# Altium PCB PCB1.PcbDoc (part 2 of 3)
Units mil, origin at the board's own origin, x right, y up, seen from the top; angles counter-clockwise.
Board outline 1847 x 2681.4 mil, 2 copper layers (Top Layer, Bottom Layer); 166 components, 117 nets, 677 pads, 840 vias.
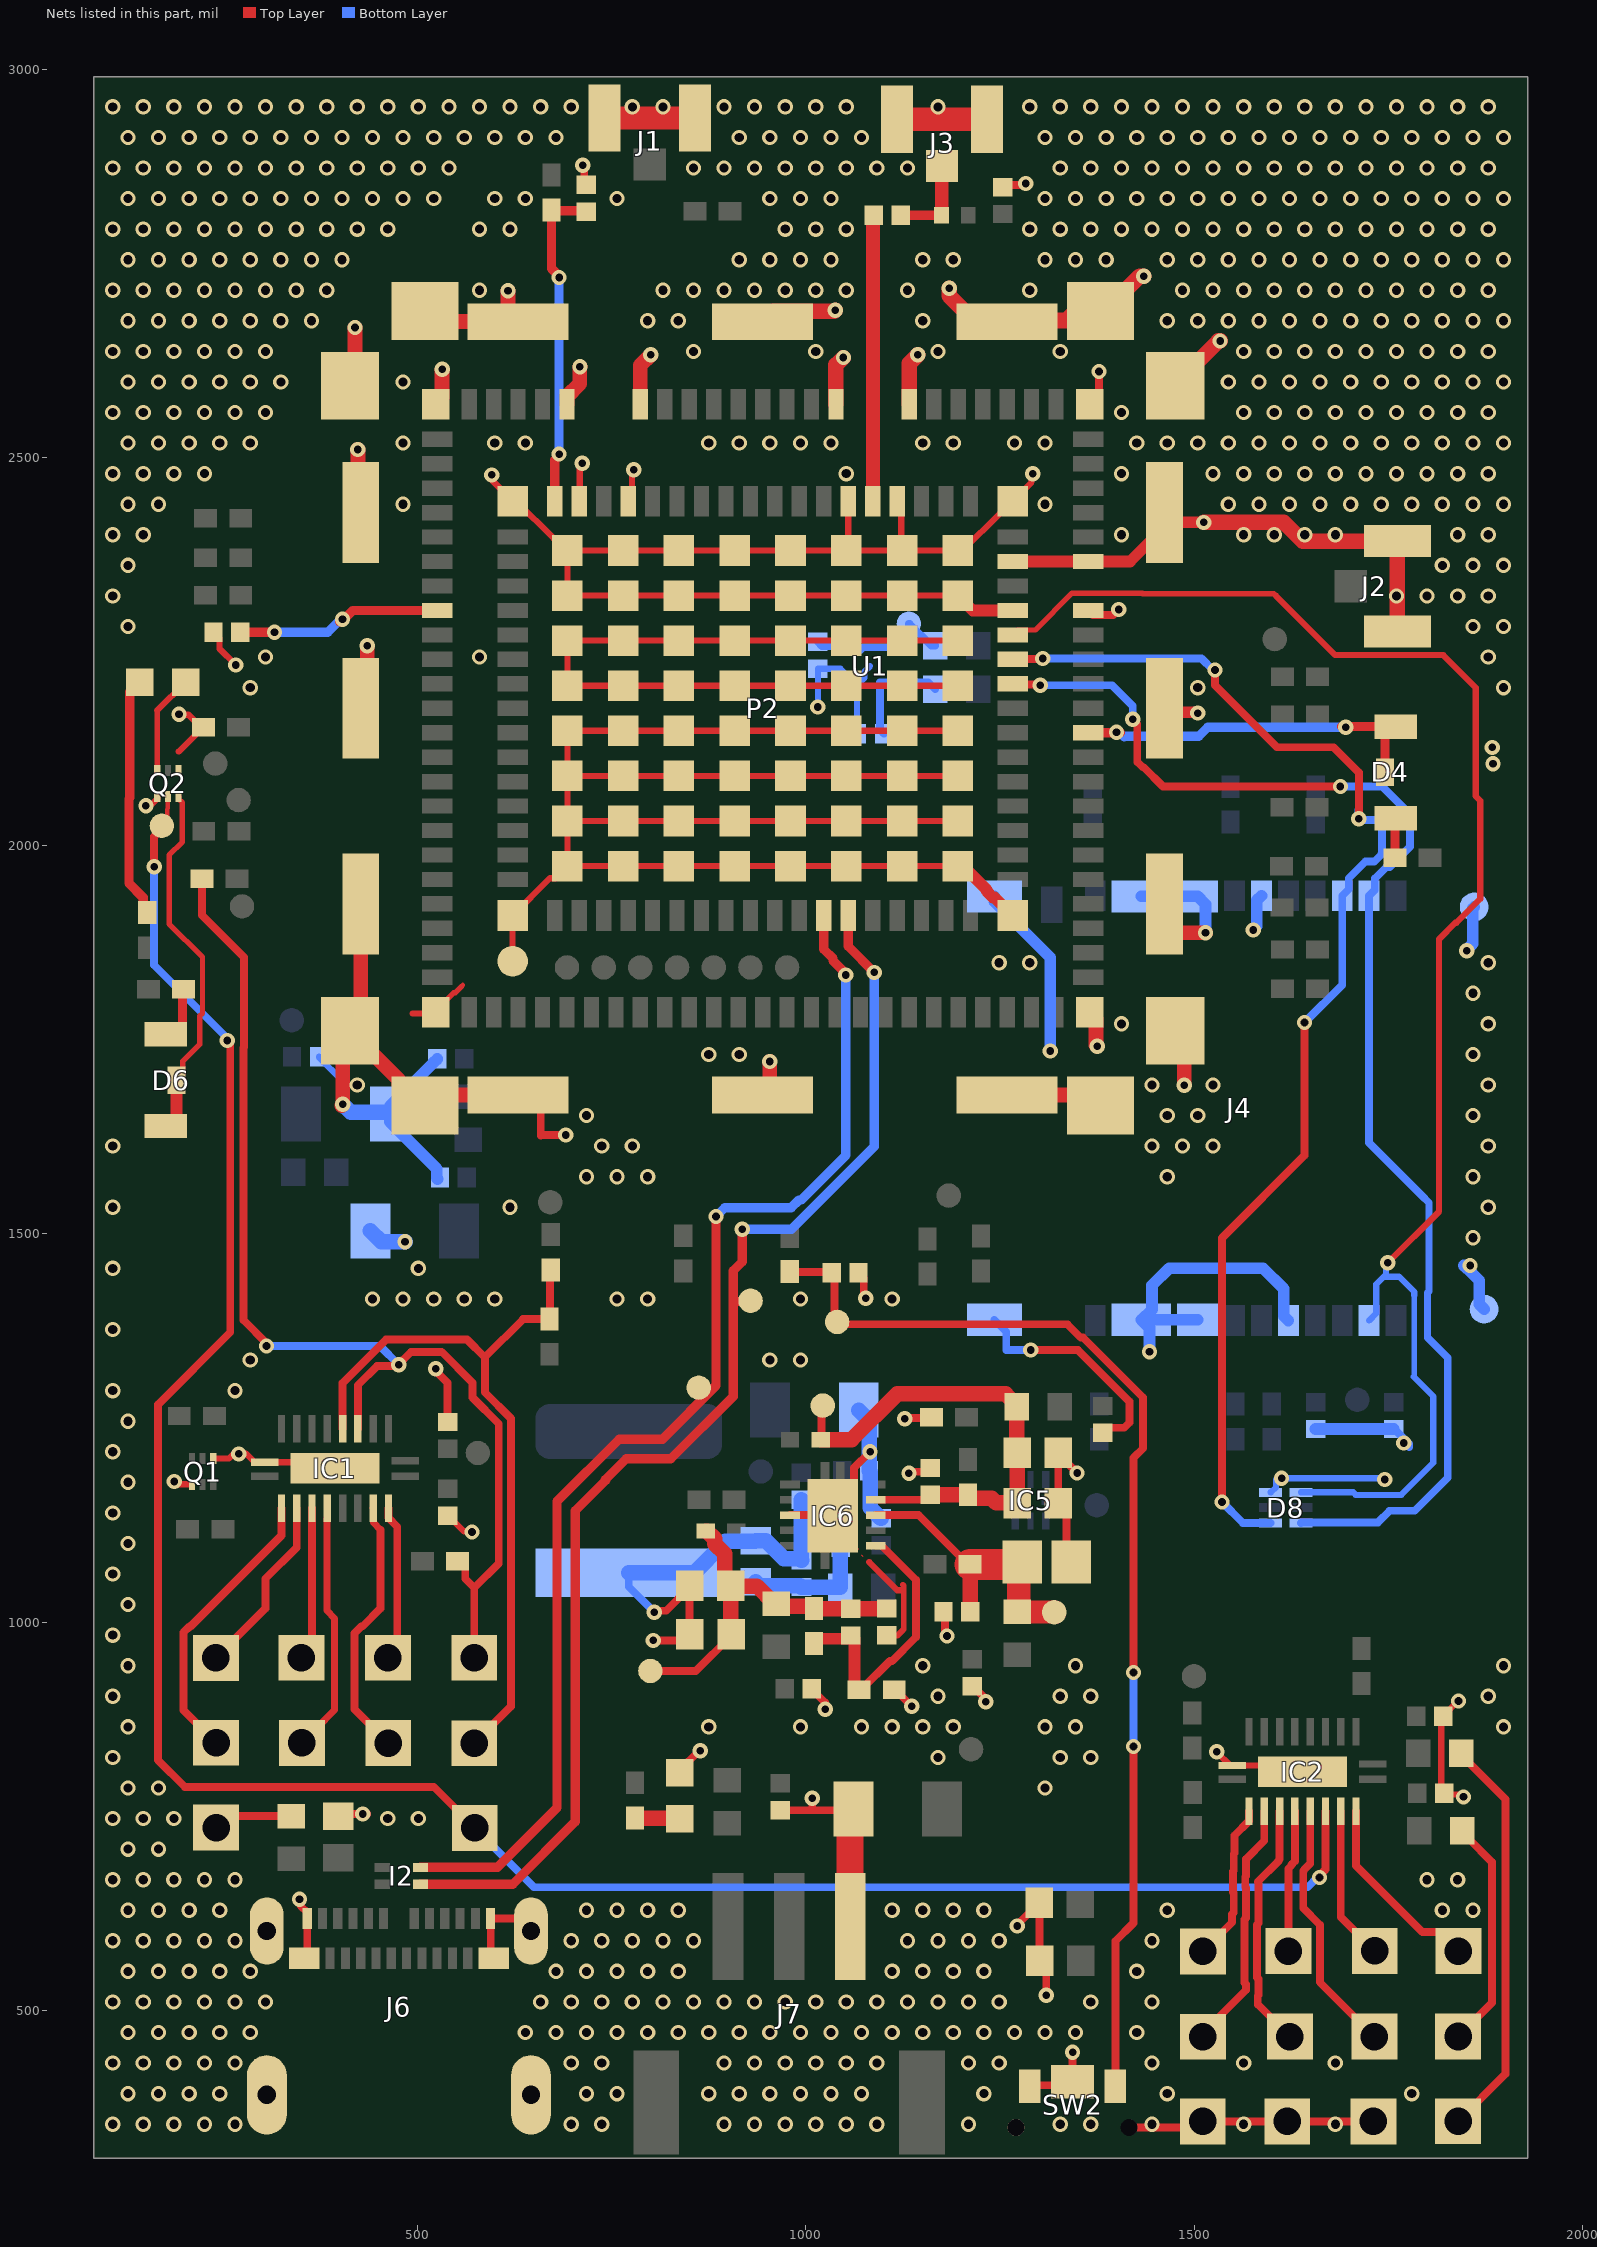
[diagram p2: the nets of this part, all layers, seen from the top]

## Part data
C1 C2 C3 C4 C28 C30 C33 C40 C42 C56 C57 C70: "0.1µF -20%, +80% 16V Ceramic Capacitor Y5V (F) 0402 (1005 Metric)", Part Number=VJ0402V104ZXJCW1BC, LatestRevisionDate=29-May-2009, LatestRevisionNote="IPC-7351 Footprint Added.", PackageDescription="Chip Capacitor", PackageReference=C1206, Published=8-Jun-2000
  C1 C2 C3 C4 C28 C33 C40 C42 C56 C57 C70: Supplier Link=https://www.digikey.com/product-detail/en/vishay-vitramon/VJ0402V104ZXJCW1BC/720-1523-1-ND/420979
C7: "15pF ±5% 50V Ceramic Capacitor C0G, NP0 0402 (1005 Metric)", Part Number=UMK105CG150JV-F, LatestRevisionDate=29-May-2009, LatestRevisionNote="IPC-7351 Footprint Added.", PackageDescription="Chip Capacitor", PackageReference=C1206, Supplier Link=https://www.digikey.com/product-detail/en/taiyo-yuden/UMK105CG150JV-F/587-1949-1-ND/1473259
C8 C21 C23: "CAP CER 22PF 50V NP0 0402", Part Number=UMK105CG220JV-F, LatestRevisionDate=29-May-2009, LatestRevisionNote="IPC-7351 Footprint Added.", PackageDescription="Chip Capacitor", PackageReference=C1206, Published=8-Jun-2000, Supplier Link=https://www.digikey.com/product-detail/en/taiyo-yuden/UMK105CG220JV-F/587-1203-1-ND/930980
  C21 C23: Available=Obsolete
C11 C12: "10µF ±20% 6.3V Ceramic Capacitor X5R 0603 (1608 Metric)", Part Number=JMK107BJ106MA-T, LatestRevisionDate=29-May-2009, LatestRevisionNote="IPC-7351 Footprint Added.", PackageDescription="Chip Capacitor", PackageReference=C1206, Publisher="Altium Limited", Supplier Link=https://www.digikey.com/product-detail/en/taiyo-yuden/JMK107BJ106MA-T/587-1256-1-ND/931033
C34 C35: "1µF ±10% 10V Ceramic Capacitor X5R 0402 (1005 Metric)", Part Number=GRM155R61A105KE15D, Part Number 2=LMK105BJ105KVHF, Available=0, LatestRevisionDate=29-May-2009, LatestRevisionNote="IPC-7351 Footprint Added.", PackageDescription="Chip Capacitor", PackageReference=C1206, Published=8-Jun-2000, Supplier Link=https://www.digikey.com/product-detail/en/murata-electronics-north-america/GRM155R61A105KE15D/490-3890-1-ND/965932, Supplier Link 2=https://www.digikey.com/product-detail/en/taiyo-yuden/LMK105BJ105KVHF/587-3712-6-ND/4811286
C36 C39 C47 C48: "22µF ±20% 6.3V Ceramic Capacitor X5R 0603 (1608 Metric)", Part Number=GRM188R60J226MEA0D, LatestRevisionDate=29-May-2009, LatestRevisionNote="IPC-7351 Footprint Added.", PackageDescription="Chip Capacitor", PackageReference=C1206, Publisher="Altium Limited", Supplier Link=https://www.digikey.com/product-detail/en/murata-electronics-north-america/GRM188R60J226MEA0D/490-7611-1-ND/4280544
C37 C38 C43 C44 C50 C51 C60 C61 C65: "0.1µF ±10% 10V Ceramic Capacitor X5R 0402 (1005 Metric)", Part Number=LMK105BJ104KV-F, LatestRevisionDate=29-May-2009, LatestRevisionNote="IPC-7351 Footprint Added.", PackageDescription="Chip Capacitor", PackageReference=C1206, Published=8-Jun-2000, Supplier Link=https://www.digikey.com/product-detail/en/taiyo-yuden/LMK105BJ104KV-F/587-1227-1-ND/931004
C41: "10µF ±10% 10V Ceramic Capacitor X5R 0805 (2012 Metric)", Part Number=LMK212BJ106KG-T, LatestRevisionDate=29-May-2009, LatestRevisionNote="IPC-7351 Footprint Added.", PackageDescription="Chip Capacitor", PackageReference=C1206, Publisher="Altium Limited", Supplier Link=https://www.digikey.com/product-detail/en/taiyo-yuden/LMK212BJ106KG-T/587-1300-1-ND/931077
C45: "56pF ±5% 50V Ceramic Capacitor C0G, NP0 0402 (1005 Metric)", Part Number=UMK105CG560JV-F, LatestRevisionDate=29-May-2009, LatestRevisionNote="IPC-7351 Footprint Added.", PackageDescription="Chip Capacitor", PackageReference=C1206, Publisher="Altium Limited", Supplier Link=https://www.digikey.com/product-detail/en/taiyo-yuden/UMK105CG560JV-F/587-1208-1-ND/930985
C49 C59 C64 C69: "47µF ±20% 10V Ceramic Capacitor X5R 1206 (3216 Metric)", Part Number=LMK316BJ476ML-T, LatestRevisionDate=29-May-2009, LatestRevisionNote="IPC-7351 Footprint Added.", PackageDescription="Chip Capacitor", PackageReference=C1206, Publisher="Altium Limited", Supplier Link=https://www.digikey.com/product-detail/en/taiyo-yuden/LMK316BJ476ML-T/587-1780-1-ND/1212796
C55: "1500µF Conformal Coated Tantalum Capacitors 6.3V 2824 (7260 Metric) 140 mOhm", Part Number=F720J158MMC, Available=0, LatestRevisionDate=29-May-2009, LatestRevisionNote="IPC-7351 Footprint Added.", PackageDescription="Chip Capacitor", PackageReference=C0805, Published=8-Jun-2000, Publisher="Altium Limited", Supplier Link=https://www.digikey.com/product-detail/en/avx-corporation/F720J158MMC/478-8067-1-ND/4005932
C58 C71: "10µF ±20% 10V Ceramic Capacitor X5R 0603 (1608 Metric)", Part Number=GRM188R61A106ME69D, LatestRevisionDate=29-May-2009, LatestRevisionNote="IPC-7351 Footprint Added.", PackageDescription="Chip Capacitor", PackageReference=C1206, Publisher="Altium Limited", Supplier Link=https://www.digikey.com/product-detail/en/murata-electronics-north-america/GRM188R61A106ME69D/490-10475-1-ND/5026393
D4 D6: "Yellow-Green 573nm LED Indication - Discrete 2V 2-SMD, No Lead", Part Number=12-21SYGC/S530-E2/TR8, Supplier Link=https://www.digikey.com/product-detail/en/everlight-electronics-co-ltd/12-21SYGC-S530-E2-TR8/1080-1451-1-ND/5308153
D7: "Green  LED Indication - Discrete 2.2V 0603 (1608 Metric)", Part Number=SML-310MTT86, LatestRevisionDate=17-Jul-2002, LatestRevisionNote="Re-released for DXP Platform.", PackageDescription="SM LED; 2 Flat Leads", PackageReference=3.2X1.6X1.1, PackageVersion=Feb-2002, Published=8-Jun-2000, Publisher="Altium Limited", Supplier Link=https://www.digikey.com/products/en?keywords=SML-310MTT86M
D8: library part RCLAMP0503N.TCT, "30V Clamp 3A (8/20µs) Ipp Tvs Diode Surface Mount SLP1510N6", Manufacturer_Name=SEMTECH, Package=SON50P100X145X65-6N, DeviceSetName=RCLAMP0503N.TCT, GateName_1=G$1, Height=0.65mm, LibraryName=RCLAMP0503N.TCT, Manufacturer_Part_Number=RCLAMP0503N.TCT, Mouser_Part_Number=947-RCLAMP0503N.TCT, Mouser_Price-Stock=https://www.mouser.com/Search/Refine.aspx?Keyword=947-RCLAMP0503N.TCT, Part Number=RCLAMP0503N.TCT, RS_Part_Number=947-RCLAMP0503N.TCT, RS_Price-Stock=https://www.mouser.com/Search/Refine.aspx?Keyword=947-RCLAMP0503N.TCT, Supplier Link=https://www.digikey.com/product-detail/en/semtech-corporation/RCLAMP0503N.TCT/RCLAMP0503N.TCTCT-ND/5113715, SymbolName_1=RCLAMP0503N.TCT
D9: "Green 570nm LED Indication - Discrete 1.7V 0603 (1608 Metric)", Part Number="LG L29K-F2J1-24-Z", LatestRevisionDate=17-Jul-2002, LatestRevisionNote="Re-released for DXP Platform.", PackageDescription="SM LED; 2 Flat Leads", PackageReference=3.2X1.6X1.1, PackageVersion=Feb-2002, Published=8-Jun-2000, Publisher="Altium Limited", Supplier Link=https://www.digikey.com/product-detail/en/osram-opto-semiconductors-inc/LG-L29K-F2J1-24-Z/475-3118-1-ND/4899549
I2: "Common Mode Chokes / Filters", Part Number=TCM1210-900-2P-T000, Supplier Link=https://eu.mouser.com/ProductDetail/TDK/TCM1210-900-2P-T000?qs=%2Fha2pyFaduia2Sf2XsGzKKKR0SZzgM3gI6%2FyoQ%2FKuJLC9pPLP%252BCPyQawxd0Jpcuo
IC1 IC2: library part FXMA108BQX, "Voltage Level Translator Bidirectional 1 Circuit 8 Channel 100Mbps 20-DQFN (2.5x4.5)", Manufacturer_Name="Fairchild Semiconductor", Package=DQFN-20, DeviceSetName=FXMA108BQX, GateName_1=G$1, Height=mm, LibraryName=FXMA108BQX, Mouser_Part_Number=512-FXMA108BQX, Part Number=FXMA108BQX, RS_Part_Number=8076121P, RS_Price-Stock=http://uk.rs-online.com/web/p/products/8076121P, Supplier Link=https://www.digikey.com/product-detail/en/on-semiconductor/FXMA108BQX/FXMA108BQXFSCT-ND/2287325, SymbolName_1=FXMA108BQX
IC5: library part TPD6E004RSER, "Clamp  Ipp Tvs Diode Surface Mount 8-UQFN (1.5x1.5)", Manufacturer_Name="Texas Instruments", Package=RSE0008A, DeviceSetName=TPD6E004RSER, GateName_1=G$1, Height=mm, LibraryName=TPD6E004RSER, Mouser_Part_Number=595-TPD6E004RSER, Mouser_Price-Stock=https://www.mouser.com/Search/Refine.aspx?Keyword=595-TPD6E004RSER, Part Number=TPD6E004RSER, RS_Part_Number=1626446, RS_Price-Stock=http://uk.rs-online.com/web/p/products/1626446, Supplier Link=https://www.digikey.com/product-detail/en/texas-instruments/TPD6E004RSER/296-23619-1-ND/1913507, SymbolName_1=TPD6E004RSER
IC6: "Buck Switching Regulator IC Positive Adjustable 0.6V 2 Output 600mA, 1A 10-VFDFN Exposed Pad", Manufacturer_Name="Texas Instruments", Package=SON50P300X300X100-11N, Part Number=TPS62420DRCR, DeviceSetName=TPS62420QDRCRQ1, GateName_1=G$1, Height=mm, LibraryName=TPS62420QDRCRQ1, Manufacturer_Part_Number=TPS62420QDRCRQ1, Mouser_Price-Stock=https://www.mouser.com/Search/Refine.aspx?Keyword=595-TPS62420QDRCRQ1, Supplier Link=https://www.digikey.com/product-detail/en/texas-instruments/TPS62420DRCR/296-25650-1-ND/2203742, SymbolName_1=TPS62420QDRCRQ1
J1 J2 J3: library part U.FL-R-SMT-1(10), "U.FL (UMCC), IPEX MHF1 Connector Receptacle, Male Pin 50 Ohm Surface Mount Solder", Manufacturer_Name=Taoglas, Part Number=20279-001E-01, Height=mm, Manufacturer_Part_Number=U.FL-R-SMT-1(10), Supplier Link=https://www.digikey.com/products/en?keywords=20279-001E-01
J4: "8 Position Card Connector Combo - microSD™, Micro SIM Surface Mount, Right Angle Gold", Part Number=1041681620, Supplier Link=https://www.digikey.com/product-detail/en/molex/1041681620/WM12820CT-ND/5823214
J6: "USB - C USB 3.1 (USB 3.1 Gen 2, Superspeed+) Receptacle Connector 24 Position Surface Mount, Right Angle; Through Hole", Package=None, Part Number=1054500101, Availability=Unavailable, MF=Molex, Price=None, SnapEDA_Link=https://www.snapeda.com/parts/1054500101/Molex/view-part/?ref=snap, Supplier Link=https://www.digikey.com/product-detail/en/molex/1054500101/WM12856CT-ND/5843891
J7: "Connector Header Surface Mount, Right Angle 3 position 0.079\" (2.00mm)", Package=None, Availability=Unavailable, MF="JST Sales", Part Number=S3B-PH-SM4-TB(LF)(SN), Price=None, SnapEDA_Link=https://www.snapeda.com/parts/S3B-PH-SM4-TB%28LF%29%28SN%29/JST%20Sales%20America%20Inc./view-part/?ref=snap, Supplier Link=https://www.digikey.com/product-detail/en/jst-sales-america-inc/S3B-PH-SM4-TB-LF-SN/455-1750-1-ND/926847
L1: "47nH Unshielded Multilayer Inductor 250mA 1.15 Ohm Max 0402 (1005 Metric)", Part Number=LQG15HN47NJ02D, Code_IEC=1005, Code_JEITA=0402, LatestRevisionDate=29-May-2009, LatestRevisionNote="IPC-7351 Footprint Added.", PackageDescription="Chip Inductor", PackageReference=0402-A, Published=8-Jun-2000, Supplier Link=https://www.digikey.com/product-detail/en/murata-electronics-north-america/LQG15HN47NJ02D/490-1093-1-ND/584539
L2 L4 L5 L10 L11 L12 L13 L14 L15: "220 Ohms @ 100MHz 1 Power Line Ferrite Bead 0603 (1608 Metric) 2.2A 50 mOhm", Part Number=MPZ1608S221ATA00, Code_IEC=1005, Code_JEITA=0402, LatestRevisionDate=29-May-2009, LatestRevisionNote="IPC-7351 Footprint Added.", PackageDescription="Chip Inductor", PackageReference=0402-A, Published=8-Jun-2000, Publisher="Altium Limited", Supplier Link=https://www.digikey.com/product-detail/en/tdk-corporation/MPZ1608S221ATA00/445-1565-1-ND/571895
L3 L6: Part Number=MIPF2016D2R2, Code_IEC=1005, Code_JEITA=0402, LatestRevisionDate=29-May-2009, LatestRevisionNote="IPC-7351 Footprint Added.", PackageDescription="Chip Inductor", PackageReference=0402-A, Published=8-Jun-2000, Publisher="Altium Limited"
L7 L8 L9: "120 Ohms @ 100MHz 1 Power Line Ferrite Bead 0603 (1608 Metric) 2.7A 35 mOhm", Part Number=BKP1608HS121-T, Code_IEC=1005, Code_JEITA=0402, LatestRevisionDate=29-May-2009, LatestRevisionNote="IPC-7351 Footprint Added.", PackageDescription="Chip Inductor", PackageReference=0402-A, Published=8-Jun-2000, Publisher="Altium Limited", Supplier Link=https://www.digikey.com/product-detail/en/taiyo-yuden/BKP1608HS121-T/587-1923-1-ND/1465393
P2: "Snap-In Socket Base For Wp Series Mcu", Package=None, Part Number="WP SNAP-IN BASE", Availability=Unavailable, MF="Sierra Wireless", Price=None, SnapEDA_Link=https://www.snapeda.com/parts/WP%20SNAP-IN%20BASE/Sierra%20Wireless/view-part/?ref=snap, Supplier Link=https://www.digikey.com/product-detail/en/sierra-wireless/WP-SNAP-IN-BASE_6000636/1645-1026-1-ND/6565779
Q1 Q2: "Pre-Biased Bipolar Transistor (BJT) 2 NPN - Pre-Biased (Dual) 50V 100mA  339mW Surface Mount SOT-963", Part Number=NSBC114YDP6T5G, Supplier Link=https://www.digikey.com/product-detail/en/on-semiconductor/NSBC114YDP6T5G/NSBC114YDP6T5GOSCT-ND/9087466
R1 R2 R5 R6 R7 R8 R9 R10 R11 R13 R14 R15 R16 R19 R20 R22 R23 R24 R25 R26 R27 R49: "0 Ohms Jumper  Chip Resistor 0402 (1005 Metric) Automotive AEC-Q200 Metal Element", Part Number=RK73Z1ETTP, LatestRevisionDate=17-Jul-2002, LatestRevisionNote="Re-released for DXP Platform.", PackageDescription="Axial Device, Thru-Hole; 2 Leads; 0.3 in Pin Spacing", PackageReference=AXIAL-0.3, Published=8-Jun-2000, Supplier Link=https://www.digikey.com/product-detail/en/koa-speer-electronics-inc/RK73Z1ETTP/2019-RK73Z1ETTPCT-ND/9846740
R3 R4 R46: "820 kOhms ±1% 0.063W, 1/16W Chip Resistor 0402 (1005 Metric) Moisture Resistant Thick Film", Part Number=RC0402FR-07820KL, LatestRevisionDate=17-Jul-2002, LatestRevisionNote="Re-released for DXP Platform.", PackageDescription="Axial Device, Thru-Hole; 2 Leads; 0.3 in Pin Spacing", PackageReference=AXIAL-0.3, Published=8-Jun-2000, Supplier Link=https://www.digikey.com/product-detail/en/yageo/RC0402FR-07820KL/YAG3240CT-ND/5282105
R12 R17: library part Res1, "0 Ohms Jumper  Chip Resistor 0402 (1005 Metric) Automotive AEC-Q200 Metal Element", Part Number=RK73Z1ETTP, LatestRevisionDate=17-Jul-2002, LatestRevisionNote="Re-released for DXP Platform.", PackageDescription="Axial Device, Thru-Hole; 2 Leads; 0.3 in Pin Spacing", PackageReference=AXIAL-0.3, Published=8-Jun-2000, Supplier Link=https://www.digikey.com/product-detail/en/koa-speer-electronics-inc/RK73Z1ETTP/2019-RK73Z1ETTPCT-ND/9846740
R18 R32 R33 R50: "820 Ohms ±5% 0.1W, 1/10W Chip Resistor 0402 (1005 Metric) Automotive AEC-Q200 Thick Film", Part Number=RK73B1ETTP821J, LatestRevisionDate=17-Jul-2002, LatestRevisionNote="Re-released for DXP Platform.", PackageDescription="Axial Device, Thru-Hole; 2 Leads; 0.3 in Pin Spacing", PackageReference=AXIAL-0.3, Published=8-Jun-2000, Supplier Link=https://www.digikey.com/product-detail/en/koa-speer-electronics-inc/RK73B1ETTP821J/2019-RK73B1ETTP821JCT-ND/9846073
R21: "100 Ohms ±5% 0.063W, 1/16W Chip Resistor 0402 (1005 Metric) Automotive AEC-Q200 Thick Film", Part Number=MCR01MZPJ101, Part Number 2=AC0402JR-07100RL, Available=0, LatestRevisionDate=17-Jul-2002, LatestRevisionNote="Re-released for DXP Platform.", PackageDescription="Axial Device, Thru-Hole; 2 Leads; 0.3 in Pin Spacing", PackageReference=AXIAL-0.3, Published=8-Jun-2000, Supplier Link=https://www.digikey.com/product-detail/en/rohm-semiconductor/MCR01MZPJ101/RHM100JCT-ND/628224, Supplier Link 2=https://www.digikey.com/product-detail/en/yageo/AC0402JR-07100RL/YAG3516CT-ND/6006365
R34: "100 kOhms ±1% 0.1W, 1/10W Chip Resistor 0402 (1005 Metric) Automotive AEC-Q200 Thick Film", Part Number=RK73H1ETTP1003F, LatestRevisionDate=17-Jul-2002, LatestRevisionNote="Re-released for DXP Platform.", PackageDescription="Axial Device, Thru-Hole; 2 Leads; 0.3 in Pin Spacing", PackageReference=AXIAL-0.3, Published=8-Jun-2000, Supplier Link=https://www.digikey.com/product-detail/en/koa-speer-electronics-inc/RK73H1ETTP1003F/2019-RK73H1ETTP1003FCT-ND/9846200
R36 R37 R38 R39 R40: "47 kOhms ±5% 0.063W, 1/16W Chip Resistor 0402 (1005 Metric) Moisture Resistant Thick Film", Part Number=RC0402JR-0747KL, LatestRevisionDate=17-Jul-2002, LatestRevisionNote="Re-released for DXP Platform.", PackageDescription="Axial Device, Thru-Hole; 2 Leads; 0.3 in Pin Spacing", PackageReference=AXIAL-0.3, Published=8-Jun-2000, Supplier Link=https://www.digikey.com/product-detail/en/yageo/RC0402JR-0747KL/311-47KJRCT-ND/729432
R41: "33 Ohms ±5% 0.1W, 1/10W Chip Resistor 0402 (1005 Metric) Automotive AEC-Q200 Thick Film", Part Number=RK73B1ETTP330J, LatestRevisionDate=17-Jul-2002, LatestRevisionNote="Re-released for DXP Platform.", PackageDescription="Axial Device, Thru-Hole; 2 Leads; 0.3 in Pin Spacing", PackageReference=AXIAL-0.3, Published=8-Jun-2000, Supplier Link=https://www.digikey.com/product-detail/en/koa-speer-electronics-inc/RK73B1ETTP330J/2019-RK73B1ETTP330JCT-ND/9846009
R42: "360 kOhms ±1% 0.063W, 1/16W Chip Resistor 0402 (1005 Metric) Automotive AEC-Q200 Thick Film", Part Number=MCR01MZPF3603, Part Number 2=AC0402FR-07360KL, Available=0, LatestRevisionDate=17-Jul-2002, LatestRevisionNote="Re-released for DXP Platform.", PackageDescription="Axial Device, Thru-Hole; 2 Leads; 0.3 in Pin Spacing", PackageReference=AXIAL-0.3, Published=8-Jun-2000, Supplier Link=https://www.digikey.com/product-detail/en/rohm-semiconductor/MCR01MZPF3603/RHM360KLCT-ND/628144, Supplier Link 2=https://www.digikey.com/product-detail/en/yageo/AC0402FR-07360KL/311-360KLBCT-ND/2828125
R43 R48: "180 kOhms ±1% 0.1W, 1/10W Chip Resistor 0402 (1005 Metric) Automotive AEC-Q200 Thick Film", Part Number=RK73H1ETTP1803F, LatestRevisionDate=17-Jul-2002, LatestRevisionNote="Re-released for DXP Platform.", PackageDescription="Axial Device, Thru-Hole; 2 Leads; 0.3 in Pin Spacing", PackageReference=AXIAL-0.3, Published=8-Jun-2000, Supplier Link=https://www.digikey.com/product-detail/en/koa-speer-electronics-inc/RK73H1ETTP1803F/2019-RK73H1ETTP1803FCT-ND/9846242
R44: "10 kOhms ±5% 0.063W, 1/16W Chip Resistor 0402 (1005 Metric) Automotive AEC-Q200 Thick Film", Part Number=MCR01MZPJ103, Part Number 2=CRCW040210K0JNED, Available=0, LatestRevisionDate=17-Jul-2002, LatestRevisionNote="Re-released for DXP Platform.", PackageDescription="Axial Device, Thru-Hole; 2 Leads; 0.3 in Pin Spacing", PackageReference=AXIAL-0.3, Published=8-Jun-2000, Supplier Link=https://www.digikey.com/product-detail/en/rohm-semiconductor/MCR01MZPJ103/RHM10KJCT-ND/628226, Supplier Link 2=https://www.digikey.fi/product-detail/en/vishay-dale/CRCW040210K0JNED/541-10KJCT-ND/1182708?cur=USD&lang=en
R45: "51 kOhms ±5% 0.063W, 1/16W Chip Resistor 0402 (1005 Metric)", Part Number=MCR01MZPJ513, Part Number 2=CR0402-JW-513GLF, LatestRevisionDate=17-Jul-2002, LatestRevisionNote="Re-released for DXP Platform.", PackageDescription="Axial Device, Thru-Hole; 2 Leads; 0.3 in Pin Spacing", PackageReference=AXIAL-0.3, Published=8-Jun-2000, Supplier Link=https://www.verical.com/pd/rohm-semiconductor-fixed-single---surface-mount-MCR01MZPJ513-450205?utm_campaign=octopart_2018&utm_currency=USD&utm_keyword=MCR01MZPJ513&utm_medium=aggregator&utm_content=inv_listing&utm_source=octopart, Supplier Link 2=https://www.digikey.ee/product-detail/en/bourns-inc/CR0402-JW-513GLF/CR0402-JW-513GLFCT-ND/8604290
SW2: "Tactile Switches Tact Switch", Part Number=SKTDLDE010, Supplier Link=https://eu.mouser.com/ProductDetail/ALPS/SKTDLDE010?qs=RiQAlOPxzzDSD3ErBzCWyg%3D%3D
U1: library part XC6223H29B9R-G, "LDO Voltage Regulators", Built_By=EMA_UL_Team, Copyright="Copyright (C) 2018 Accelerated Designs. All rights reserved", Part Number=XC6223H29B9R-G, RefDes=RefDes, Supplier Link=https://eu.mouser.com/ProductDetail/Torex-Semiconductor/XC6223H29B9R-G?qs=%2Fha2pyFadujZ3DCSmHHHg6sdaRWvEXKOM0E8R6SW2XDQmdh01F6iPg%3D%3D, Type=DEV, Vendor="Torex Semiconductor"

## Via types
v1: diameter 19.68, hole 11.81, Top Layer to Bottom Layer, tented both sides, 638 vias
v2: diameter 19.68, hole 9.84, Top Layer to Bottom Layer, 195 vias
v3: diameter 30, hole 9.84, Top Layer to Bottom Layer, 3 vias
v4: diameter 25, hole 12.5, Top Layer to Bottom Layer, 3 vias
v5: diameter 32, hole 9.84, Top Layer to Bottom Layer, 1 vias

## Nets (pads, with @x,y where several pads share a name; then routed paths per layer and width w, separated by ;. In a path a pad name is that pad's centre, name@x,y a point inside that pad or via, vN(x,y) a via of type N, cw(c..) or ccw(c..) an arc to the next point about the centre after c; other vN are vias at no path point)
GND: C1.2 C2.2 C3.2 C4.2 C8.2 C11.1 C12.1 C21.1 C23.1 C28.1 C30.2 C33.1 C34.1 C35.1 C36.1 C37.1 C38.1 C39.1 C40.1 C41.1 C42.1 C43.1 C44.1 C47.1 C48.1 C49.1 C50.1 C51.1 C55.2 C56.1 C57.1 C58.1 C59.1 C60.1 C61.1 C64.1 C65.1 C69.1 C70.1 C71.1 D8.6 D9.2 H10.1 H12.1 H14.1 IC1.10 IC1.21 IC2.10 IC2.21 IC5.8 IC6.8 IC6.11 J1.1 J1.2 J2.1 J2.2 J3.1 J3.2 J4.G1 J4.G2 J4.G3 J4.G4 J4.G5 J4.G6 J4.G7 J4.G8 J4.S5 J4.T6 J6.A1 J6.A12 J6.B1 J6.B12 J6.S1 J6.S2 J6.S3 J6.S4 J7.3 P2.30 P2.32 P2.37 P2.39 P2.48 P2.50 P2.67 P2.68 P2.69 P2.70 P2.111 P2.113 P2.125 P2.128 P2.136 P2.139 P2.167 P2.168 P2.169 P2.170 P2.171 P2.172 P2.173 P2.174 P2.175 P2.176 P2.177 P2.178 P2.179 P2.180 P2.181 P2.182 P2.183 P2.184 P2.185 P2.186 P2.187 P2.188 P2.189 P2.190 P2.191 P2.192 P2.193 P2.194 P2.195 P2.196 P2.197 P2.198 P2.199 P2.200 P2.201 P2.202 P2.203 P2.204 P2.205 P2.206 P2.207 P2.208 P2.209 P2.210 P2.211 P2.212 P2.213 P2.214 P2.215 P2.216 P2.217 P2.218 P2.219 P2.220 P2.221 P2.222 P2.223 P2.224 P2.225 P2.226 P2.227 P2.228 P2.229 P2.230 P2.231 P2.232 P2.233 P2.234 P2.P1 P2.P2 P2.P3 P2.P4 P2.P5 P2.P6 P2.P7 P2.P8 P2.P9 P2.P10 P2.P11 P2.P12 P2.P13 P2.P14 P2.P15 P2.P16 P2.P17 P2.P18 P2.P19 P2.P20 P2.PM1 Q1.1 Q1.4 Q2.1 Q2.4 R7.2 R43.1 R48.1 SW2.1 SW2.3 SW2.4 SW2.5 U1.2 U1.5 | length 14017.9
  Top Layer w0: 1070.95,1086.88 1073.31,1084.51
  Top Layer w6: 555.92,1818.3 558.11,1820.49
  Top Layer w7: P2.167@522.91,1787.25 546.37,1810.72 548.34,1810.72 554.82,1817.2 555.92,1818.3 ; 1124.8,1048.2 1126.1,1046.9 1126.1,990.9 1124.9,989.7
  Top Layer w8: v2(149.8,2051.6) 152.04,2053.84 157.68,2053.84 164.42,2060.57 Q2.1@164.42,2063.4 ; v2(186.2,1181) 189.71,1177.49 208.96,1177.49 209.02,1177.43 Q1.4@209.02,1177.14 ; 191.98,2121.19 223.39,2152.6 R7.2@223.72,2152.6 220.77,2152.6 204.65,2168.72 193.08,2168.72 v2(192.4,2169.4) ; Q1.1@236.58,1210.6 256.44,1210.6 265.24,1219.4 268.04,1216.6 v2(269.4,1216.6) 269.96,1217.16 278.35,1217.16 289.79,1205.72 385.46,1205.72 IC1.21@393.33,1197.86 ; C21.1@236.79,2274.95 244.6,2267.14 244.6,2253.8 v2(265.6,2232.8) ; 493.6,1784 521.62,1784 P2.167@522.91,1785.28 P2.167@522.91,1787.25 ; C3.2@538.32,1137.15 539.1,1137.15 559.39,1116.87 568.93,1116.87 v2(569.8,1116) ; v2(595.2,2477.6) 595.6,2477.2 595.6,2470.47 P2.70@622.12,2443.95 626.91,2443.95 674.9,2395.95 677.01,2395.95 P2.178@692.69,2380.27 ; P2.PM1@622.12,1851.23 P2.67@622.12,1910.09 670.12,1958.08 677.01,1958.08 P2.171@692.69,1973.77 ; P2.50@707.95,2443.95 708.63,2444.63 708.63,2489.43 v2(711.8,2492.6) ; P2.48@770.94,2443.95 775.76,2448.77 775.76,2482.16 v2(778,2484.4) ; IC6.11@1034.32,1137.01 1062.82,1108.51 1062.82,1093.98 IC6.11@1063.85,1093.98 ; P2.39@1054.4,2443.95 1054.4,2382.73 P2.183@1051.94,2380.27 ; 1081.43,1077.23 1117.66,1041 1125.4,1041 ; C43.1@1104,982.88 1118.08,982.88 1124.9,989.7 ; P2.37@1117.4,2443.95 1122.84,2438.51 1122.84,2381.22 P2.184@1123.79,2380.27 ; P2.192@1195.64,1973.77 P2.193@1123.79,1973.77 P2.194@1051.94,1973.77 P2.195@980.09,1973.77 P2.196@908.24,1973.77 P2.197@836.39,1973.77 P2.198@764.54,1973.77 P2.171@692.69,1973.77 ; P2.191@1195.64,2031.84 P2.214@1123.79,2031.84 P2.215@1051.94,2031.84 P2.216@980.09,2031.84 P2.217@908.24,2031.84 P2.218@836.39,2031.84 P2.199@764.54,2031.84 P2.172@692.69,2031.84 ; P2.190@1195.64,2089.91 P2.213@1123.79,2089.91 P2.228@1051.94,2089.91 P2.229@980.09,2089.91 P2.230@908.24,2089.91 P2.219@836.39,2089.91 P2.200@764.54,2089.91 P2.173@692.69,2089.91 ; P2.189@1195.64,2147.98 P2.212@1123.79,2147.98 P2.227@1051.94,2147.98 P2.234@980.09,2147.98 P2.231@908.24,2147.98 P2.220@836.39,2147.98 P2.201@764.54,2147.98 P2.174@692.69,2147.98 P2.173@692.69,2089.91 ; P2.188@1195.64,2206.05 P2.211@1123.79,2206.05 P2.226@1051.94,2206.05 P2.233@980.09,2206.05 P2.232@908.24,2206.05 P2.221@836.39,2206.05 P2.202@764.54,2206.05 P2.175@692.69,2206.05 P2.176@692.69,2264.12 P2.203@764.54,2264.12 P2.222@836.39,2264.12 P2.223@908.24,2264.12 P2.224@980.09,2264.12 P2.225@1051.94,2264.12 P2.210@1123.79,2264.12 P2.187@1195.64,2264.12 ; P2.186@1195.64,2322.19 P2.209@1123.79,2322.19 P2.208@1051.94,2322.19 P2.207@980.09,2322.19 P2.206@908.24,2322.19 P2.205@836.39,2322.19 P2.204@764.54,2322.19 P2.177@692.69,2322.19 P2.178@692.69,2380.27 ; v2(1292.2,2479.2) 1290.57,2477.57 1290.57,2468.3 1250.53,2428.26 1249.99,2428.26 1202,2380.27 P2.184@1123.79,2380.27 ; v2(1529.2,832.8) 1529.2,832.56 1546.49,815.27 1631.73,815.27 IC2.21@1639.6,807.4 ; v2(1840.45,898.4) 1840.33,898.4 1820.65,878.71 C2.2@1820.65,878.6 1818.16,876.12 1818.16,783.44 1823.58,778.02 1843.78,778.02 v2(1847,774.8) ; P2.171@692.69,1973.77 P2.172@692.69,2031.84 ; P2.172@692.69,2031.84 P2.173@692.69,2089.91 ; P2.178@692.69,2380.27 P2.179@764.54,2380.27 P2.180@836.39,2380.27 P2.181@908.24,2380.27 P2.182@980.09,2380.27 P2.183@1051.94,2380.27 ; P2.183@1051.94,2380.27 P2.184@1123.79,2380.27